# KiCad board PicoGUS chipdown.kicad_pcb (continued)
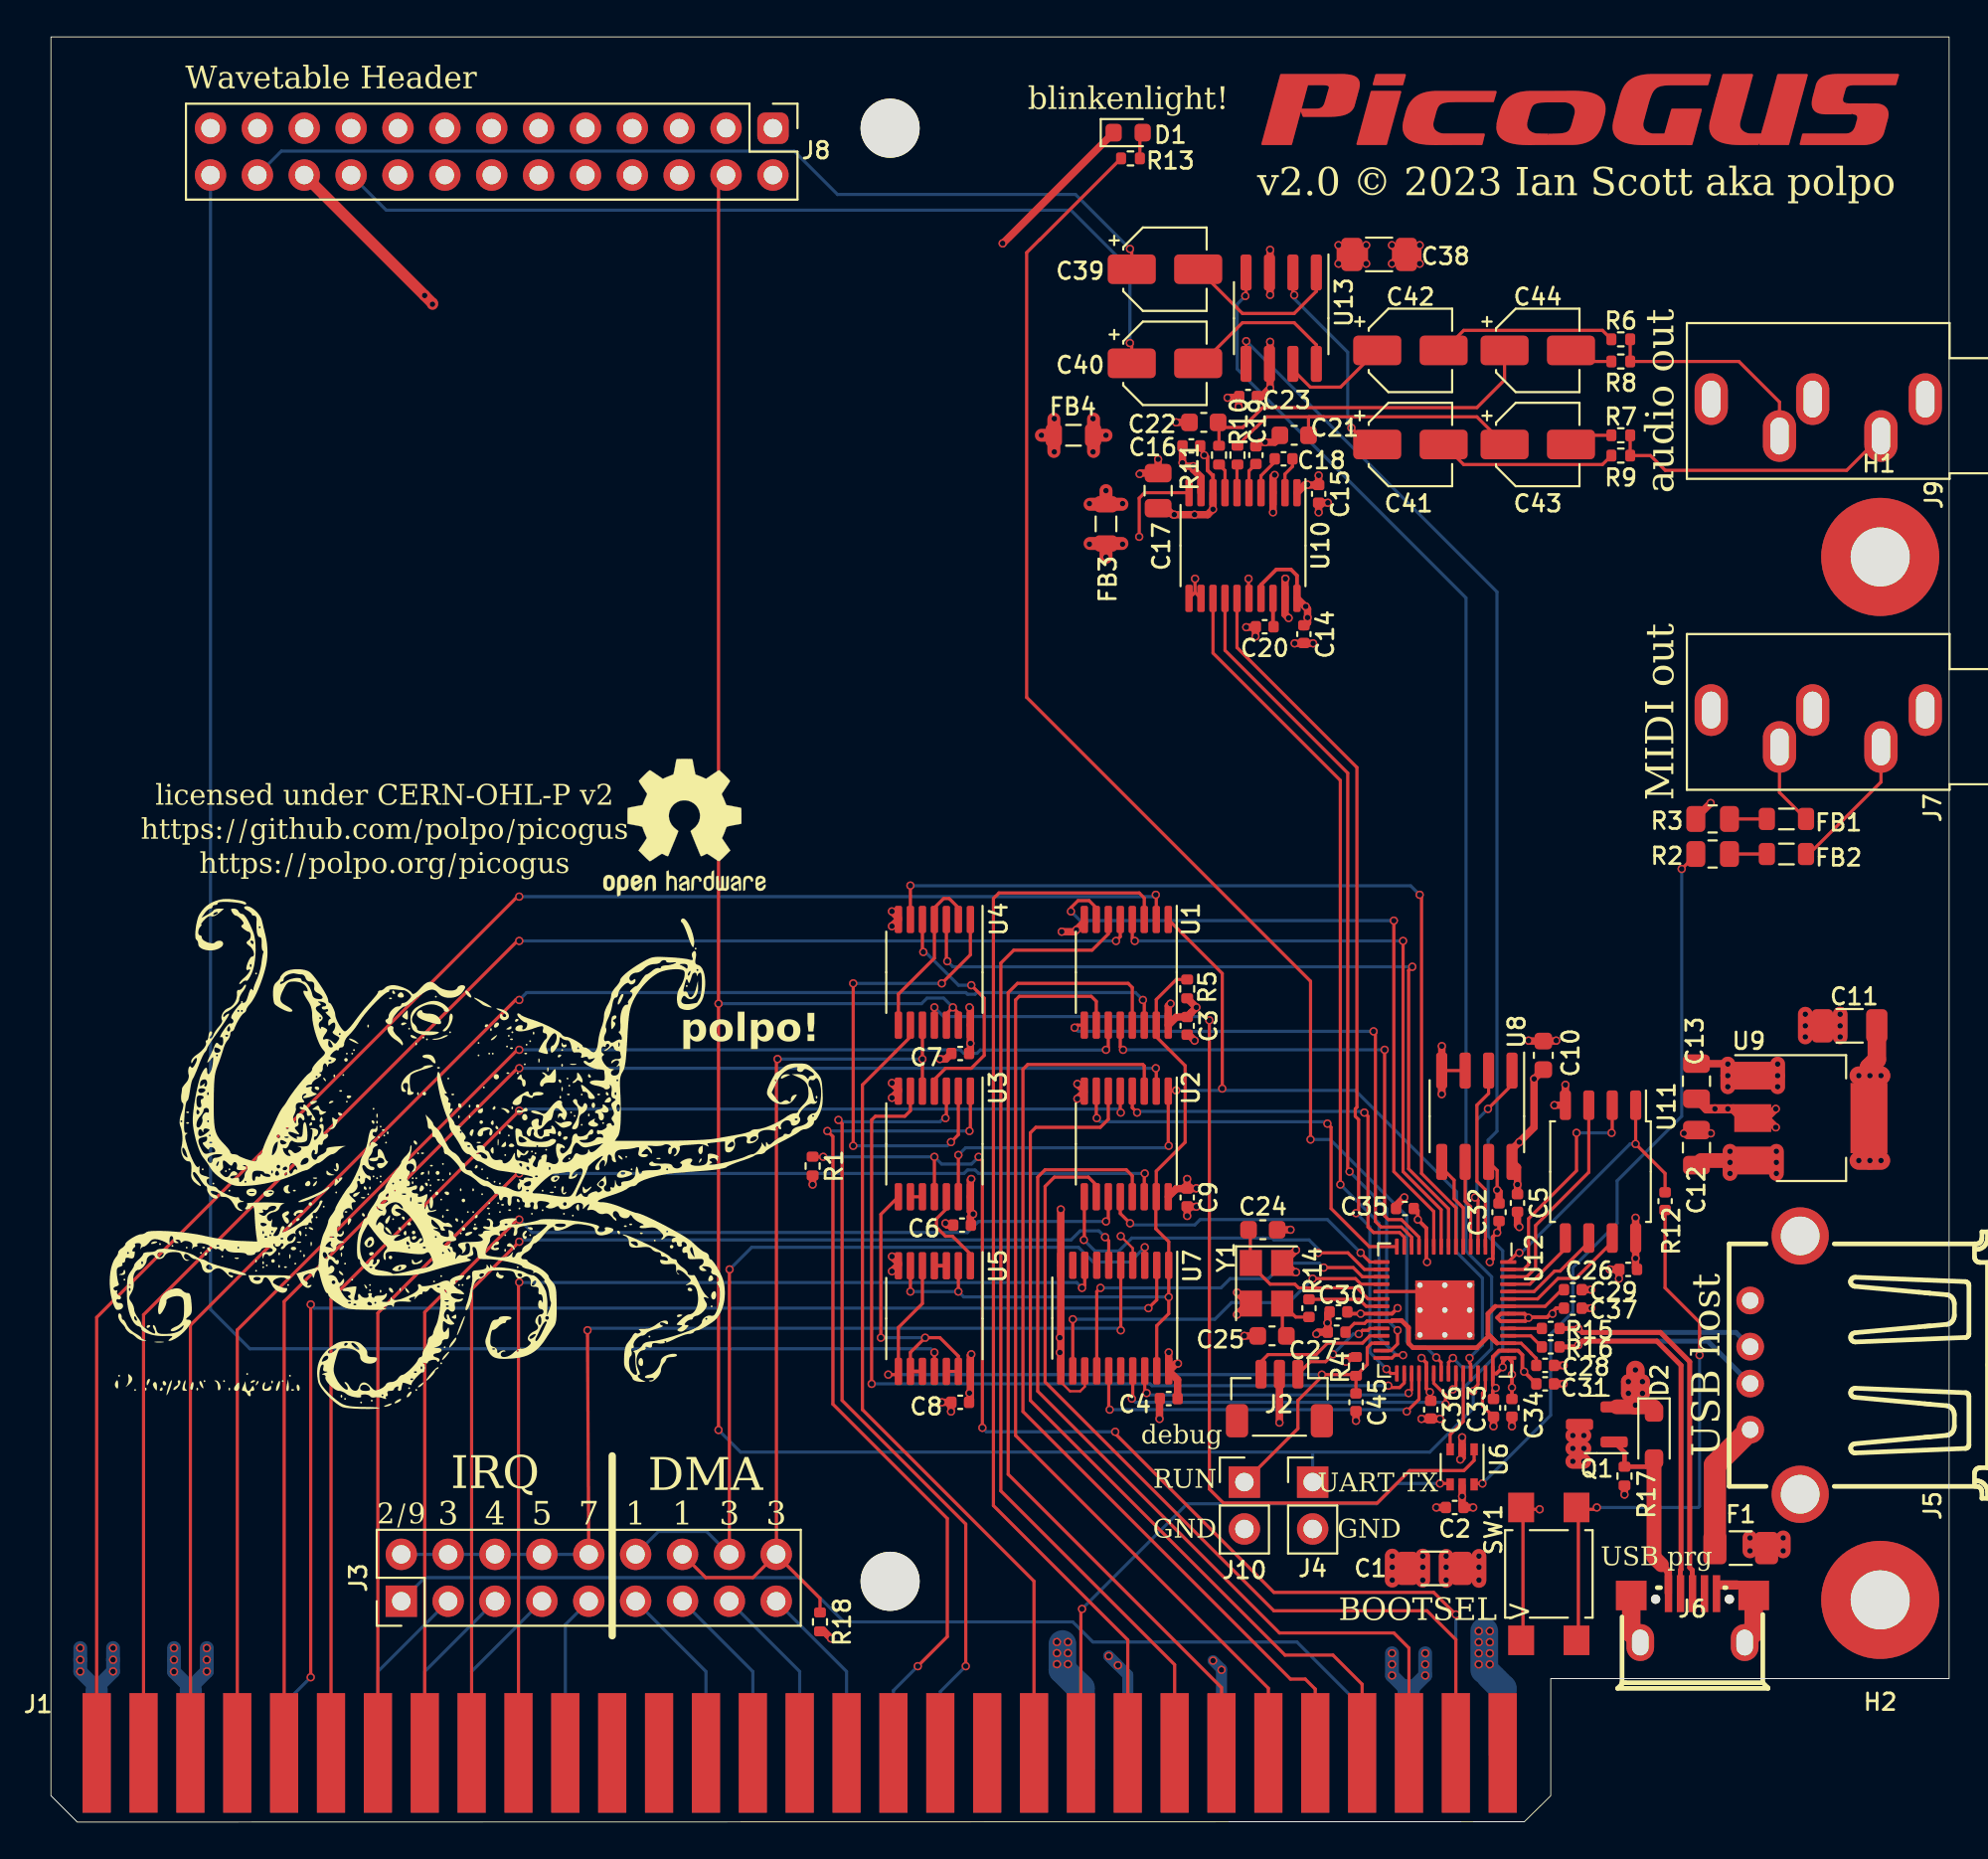
[diagram p0: board, top side]
## Nets
+1V1: C27.1 C28.1 C29.1 U12.23 U12.45 U12.50
+3V3: C2.1 C3.1 C4.1 C5.1 C6.1 C7.1 C8.1 C9.1 C10.1 C11.1 C13.1 C14.2 C26.1 C30.1 C31.1 C32.1 C33.1 C34.1 C35.1 C36.1 C37.1 FB4.1 R4.1 R5.1 U1.16 U2.16 U3.14 U4.14 U5.14 U6.5 U7.20 U8.8 U9.2 U10.17 U10.20 U11.8 U12.1 U12.10 U12.22 U12.33 U12.42 U12.43 U12.44 U12.48 U12.49
+5V: C1.1 F1.2 J1.3 J1.29 J8.6 J8.10 J8.14 Q1.3 R3.2 R18.2
+12V: J1.9 J8.18
-12V: J1.7 J8.22
AGND: C15.1 C16.1 C17.2 C19.2 C21.1 C22.1 C23.2 C38.2 FB3.2 J8.15 J8.17 J8.19 J8.21 J8.23 J8.25 J9.S U10.3 U10.9 U13.3
AVDD: C15.2 C16.2 C17.1 C23.1 C38.1 FB4.2 U10.1 U10.8 U13.6
GND: C1.2 C2.2 C3.2 C4.2 C5.2 C6.2 C7.2 C8.2 C9.2 C10.2 C11.2 C12.2 C13.2 C14.1 C20.2 C24.2 C25.2 C26.2 C27.2 C28.2 C29.2 C30.2 C31.2 C32.2 C33.2 C34.2 C35.2 C36.2 C37.2 C45.2 D1.1 FB3.1 H1.1 H2.1 J1.1 J1.10 J1.31 J2.2 J4.2 J5.4 J5.5 J6.5 J6.6 J7.S J8.1 J8.3 J8.5 J8.7 J8.9 J8.11 J10.2 R1.2 R17.2 SW1.2 U1.8 U2.8 U3.7 U4.7 U5.7 U6.2 U7.4 U7.10 U7.11 U7.13 U8.3 U8.4 U8.7 U9.1 U10.10 U10.11 U10.12 U10.16 U10.19 U11.4 U12.19 U12.41 U12.57 Y1.2 Y1.4
/RP2040/GPIO23: R13.1 U12.35
/RP2040/QSPI_SCLK: U11.6 U12.52
/RP2040/QSPI_SD0: U11.5 U12.53
/RP2040/QSPI_SD1: U11.2 U12.55
/RP2040/QSPI_SD2: U11.3 U12.54
/RP2040/QSPI_SD3: U11.7 U12.51
/RP2040/QSPI_SS: R12.1 U11.1 U12.56
/RP2040/SWCLK: J2.1 U12.24
/RP2040/SWD: J2.3 U12.25
/RP2040/XIN: C24.1 U12.20 Y1.1
/RP2040/XOUT: R14.1 U12.21
/RP2040/~{USB_BOOT}: R12.2 SW1.1
/USB_D+: J5.3 J6.3 R15.1
/USB_D-: J5.2 J6.2 R16.1
/VSYS: C12.1 D2.1 Q1.2 U9.3
A0: J1.62 U1.2
A1: J1.61 U1.5
A2: J1.60 U1.14
A3: J1.59 U1.11
A4: J1.58 U2.2
A5: J1.57 U2.5
A6: J1.56 U2.14
A7: J1.55 U2.11
A8: J1.54 U7.6
A9: J1.53 U7.8
AD0: U1.4 U12.8
AD1: U1.7 U12.9
AD2: U1.12 U12.11
AD3: U1.9 U12.12
AD4: U2.4 U12.13
AD5: U2.7 U12.14
AD6: U2.12 U12.15
AD7: U2.9 U12.16
ADS: U1.1 U2.1 U3.13 U12.39
AEN: J1.42 U4.9
BCK: U10.13 U12.28
D0: J1.40 U1.3
D1: J1.39 U1.6
D2: J1.38 U1.13
D3: J1.37 U1.10
D4: J1.36 U2.3
D5: J1.35 U2.6
D6: J1.34 U2.13
D7: J1.33 U2.10
DACK: J3.14 J3.18 R18.1 U3.5 U4.10
DACK1: J1.17 J3.13
DACK3: J1.15 J3.17
DIN: U10.14 U12.27
DRQ: J3.12 J3.16 U7.3
DRQ1: J1.18 J3.11
DRQ3: J1.16 J3.15
I/OCHRDY: J1.41 U6.4
IRQ: J3.2 J3.4 J3.6 J3.8 J3.10 U7.5
IRQ2: J1.4 J3.1
IRQ3: J1.25 J3.3
IRQ4: J1.24 J3.5
IRQ5: J1.23 J3.7
IRQ7: J1.21 J3.9
LRCK: U10.15 U12.29
PGAUDIO_L: C21.2 C43.1 R10.2
PGAUDIO_R: C22.2 C44.1 R11.2
RA8: U7.14 U12.17
RA9: U7.12 U12.18
RDRQ: U7.17 U12.34
RESET: J1.2 R1.1 U3.11
RI/OCHRDY: U6.3 U12.38
RIRQ: U7.15 U12.32
RTC: U7.18 U12.31
RUN: C45.1 J10.1 R4.2 U5.5 U5.8 U12.26
RV_CLK: U12.37 U13.5
RV_DATA: U12.36 U13.4
SPI_RX: U8.2 U12.2
SPI_SCK: U8.6 U12.4
SPI_TX: U8.5 U12.5
TC: J1.27 U7.2
UART_TX: J4.1 J8.4 U4.12 U4.13 U12.40
WTAUDIO_L: C39.1 J8.24
WTAUDIO_R: C40.1 J8.20
~{BUSOE}: R5.2 U1.15 U2.15 U5.2 U5.6 U7.1 U7.19
~{IOR}: J1.14 U3.1
~{IOW}: J1.13 U3.3
~{RDACK}: U3.6 U12.30
~{RIOR}: U4.3 U12.7
~{RIOW}: U4.6 U12.6
~{SPI_CS}: U8.1 U12.3
~{WT_RESET}: J8.26 U5.11
Net-(C25-Pad1): C25.1 R14.2 Y1.3
Net-(C41-Pad2): C41.2 R7.1
Net-(C42-Pad2): C42.2 R6.1
Net-(C43-Pad2): C43.2 R9.2
Net-(C44-Pad2): C44.2 R8.2
Net-(D1-A): D1.2 R13.2
Net-(D2-A): D2.2 J6.1 Q1.1 R17.1
Net-(FB1-Pad1): FB1.1 R2.2
Net-(FB1-Pad2): FB1.2 J7.T
Net-(FB2-Pad1): FB2.1 R3.1
Net-(FB2-Pad2): FB2.2 J7.R
Net-(J5-VBUS): F1.1 J5.1
Net-(J9-PadR): J9.R R6.2 R8.1
Net-(J9-PadT): J9.T R7.2 R9.1
Net-(R2-Pad1): R2.1 U6.6
Net-(U3-Pad2): U3.2 U4.1
Net-(U3-Pad4): U3.4 U4.5
Net-(U3-Pad8): U3.8 U5.9 U5.10 U5.12 U5.13
Net-(U3-Pad10): U3.9 U3.10
Net-(U3-Pad12): U3.12 U5.1
Net-(U4-Pad2): U4.2 U4.4 U4.8
Net-(U4-Pad11): U4.11 U6.1
Net-(U5-Pad3): U5.3 U5.4
Net-(U10-CAPM): C18.2 U10.4
Net-(U10-CAPP): C18.1 U10.2
Net-(U10-LDOO): C20.1 U10.18
Net-(U10-OUTL): R10.1 U10.6
Net-(U10-OUTR): R11.1 U10.7
Net-(U10-VNEG): C19.1 U10.5
Net-(U12-USB_DM): R16.2 U12.46
Net-(U12-USB_DP): R15.2 U12.47
Net-(U13-1ch_IN): C39.2 U13.1
Net-(U13-1ch_OUT): C41.1 U13.2
Net-(U13-2ch_IN): C40.2 U13.8
Net-(U13-2ch_OUT): C42.1 U13.7

Pads without a net: J1 5 6 8 11 12 19 20 22 26 28 30 32 43 44 45 46 47 48 49 50 51 52; J2 MP; J6 4; J7 RN TN; J8 2 8 12 13 16; J9 RN TN; U7 7 9 16

## Via types
v1: diameter 0.45, hole 0.3, Top to Bottom, 374 vias

## Routing (per net, layer and track width the routed paths; a pad name or vN(x,y) marks a point on that pad's centre or on a via; arc(x,y) is an arc through that point)
+1V1: length 18.9
  Top w0.171: 72.61,27.15 U12.23 71.32,27.15 71.19,27.02 70.63,27.02 70.26,26.65 ; 78.37,25.95 U12.45 79.68,25.95 80.22,25.41 80.22,25.4 80.48,25.14 80.49,25.14 80.5,25.13 C28.1 ; 81.88,28.85 80.98,27.95 U12.50 78.28,27.95
  Top w0.25: 78.27,26.04 77.88,26.44 77.88,27.55 78.28,27.95 ; 72.67,27.15 72.7,27.18 73.2,27.18 73.58,26.8 73.58,25.94 73.81,25.71 77.28,25.71 77.94,26.36 77.96,26.36 78.37,25.95
+3V3: length 75.4
  Top w0.2: 78.14,22.97 78.14,23.37 v1(78.3,23.53) 78.14,23.68 U12.42 ; C32.1 78.48,32.05 v1(78.38,31.95) 78.14,31.71 U12.1 78.14,30.51 v1(77.98,30.35) ; C37.1 81.58,27.85 81.38,27.65 v1(81.38,27.55) 81.28,27.55 81.09,27.36 80.11,27.36 v1(80.08,27.33) ; 78.88,25.15 78.68,24.95 v1(78.68,24.65) 78.34,24.31 U12.42 ; U12.42 78.14,25.21 78.48,25.55 U12.44 79.51,25.55 79.74,25.32 79.74,24.5 v1(79.84,24.41) C31.1 ; C36.1 74.78,23.25 v1(74.73,23.3) 74.54,23.49 U12.33 74.54,24.89 v1(74.28,25.15) ; v1(80.08,27.33) 79.86,27.55 U12.49 78.59,27.55 78.38,27.34 78.57,27.15 U12.48 79.9,27.15 v1(80.08,27.33) ; U10.20 67.53,67.55 67.2,67.88 66.41,67.88 65.58,67.05 U10.17 ; 73.86,33.35 74.08,33.13 v1(74.08,32.65) 74.54,32.19 U12.10 74.54,30.39 v1(74.58,30.35) 74.54,30.41 ; v1(72.98,27.85) 72.68,27.55 U12.22 v1(70.98,27.55) 70.36,27.55 ; C34.1 v1(79.18,23.55) v1(79.18,24.25) 79.18,24.95 U12.43
  Top w0.4: 85.88,30.03 v1(85.88,30.55) 85.88,30.55 U11.8 85.88,32.74 v1(85.88,32.75) ; 49.76,22.85 49.83,22.92 49.83,23.2 v1(49.78,23.25) 49.83,23.3 U5.14 49.83,25.3 v1(49.88,25.35) ; U10.20 67.97,65.87 v1(68,65.87) 68,65.84 68.1,65.74 v1(68.1,65.27) 68.1,64.99 67.88,64.77 ; 92.98,38.15 v1(93.48,38.65) ; 92.98,38.15 v1(93.48,37.65) ; 92.98,38.15 U9.2 ; 79.18,36.45 v1(79.58,36.85) 80.38,37.65 v1(80.38,40.27) C10.1 ; 54.35,74.27 v1(54.38,74.25) ; U7.20 v1(60.58,25.45) ; U7.20 61.06,23.97 C4.1 ; U7.20 60.98,24.85 v1(61.08,24.85) ; 49.83,41.72 v1(49.83,42.2) U4.14 49.83,44.1 v1(49.78,44.15) ; v1(60.68,44.35) 60.55,44.22 U1.16 61,43.63 C3.1 61.78,43.83 61.78,43.85 v1(62.08,44.15) 62.07,44.15 R5.1 ; 76.48,17.08 v1(76.48,17.65) 76.48,18.21 ; v1(77.08,17.05) C2.1 ; v1(54.38,76.05) 54.35,76.02 ; v1(62.08,34.35) 62.06,34.33 C9.1 ; C9.1 61,34.33 U2.16 ; C9.1 v1(61.58,34.85) ; 49.83,32.38 49.83,32.8 v1(49.98,32.95) 49.83,33.1 U3.14 49.83,34.8 v1(49.88,34.85) ; C5.1 v1(79.48,34.55) 79.48,35.48 79.18,35.77 ; v1(70.18,24.95) 70.43,25.21 R4.1
  Top w0.5: 91.68,38.15 91.18,38.65 v1(90.88,38.65) v1(90.18,38.65) 89.73,38.65 C13.1
  Top w0.7: v1(53.68,75.15) FB4.1 ; FB4.1 54.35,76.02 ; FB4.1 54.35,74.27
  Top w1: v1(97.98,40.45) v1(98.58,40.45) v1(99.18,40.45) 98.53,40.5 98.53,40.9 98.95,41.32 C11.1 ; v1(97.98,35.85) v1(98.58,35.85) v1(99.18,35.85)
+5V: length 292.3
  Top w0.4: v1(42.28,9.95) 41.89,10.34 R18.2 ; v1(89.95,55.22) 89.23,54.5
  Top w0.8: v1(82.48,19.55) v1(83.08,19.55) ; v1(92.08,14.7) v1(92.08,15.4) ; 75.61,14.4 75.61,13.1 ; v1(82.48,20.25) v1(83.08,20.25) ; 77.39,14.4 77.39,13.1 ; v1(93.88,15.4) v1(93.88,14.7) ; v1(82.48,20.95) v1(83.08,20.95)
  In2.Cu w0.4: v1(42.28,9.95) 42.28,6.25
  In2.Cu w0.75: v1(6.67,9.43) 6.67,8.06 7.28,7.45 7.88,7.45 8.45,8.01 v1(8.45,9.43) ; v1(74.48,7.95) v1(74.48,9.15) ; v1(72.68,7.95) v1(72.68,9.15)
  In2.Cu w0.8: v1(82.48,19.55) v1(83.08,19.55) ; v1(77.39,14.41) v1(77.39,13.11) ; v1(92.08,14.7) v1(92.08,15.4) ; v1(82.48,20.95) v1(83.08,20.95) ; v1(93.88,15.4) v1(93.88,14.7) ; v1(75.61,14.41) v1(75.61,13.11) ; v1(82.48,20.25) v1(83.08,20.25)
  In2.Cu w1.2: 82.77,15.05 82.77,17.46 82.78,17.47 82.78,20.95 ; J8.6 34.05,87.32 33.98,87.25 25.18,87.25 23.89,88.54 J8.14 ; 28.98,87.35 28.98,89.24 ; 30.78,87.25 83.53,87.25 87.57,83.22 87.57,57.6 102.07,43.1 102.07,21.34 95.78,15.05 77.88,15.05 73.6,10.77 73.6,6.25 8.32,6.25 7.56,7.02
  Bottom w0.75: v1(74.48,9.15) v1(74.48,7.95) 73.88,7.35 73.28,7.35 v1(72.68,7.95) v1(72.68,9.15) ; v1(6.67,9.43) v1(6.67,8.79) v1(6.67,8.15) 7.37,7.45 7.73,7.45 v1(8.45,8.17) v1(8.45,8.79) v1(8.45,9.43)
  Bottom w1.2: 7.58,4.05 7.58,7.15 ; 73.58,3.29 73.58,7.15
  vias: v1(72.68,8.55) v1(74.48,8.55) v1(75.61,13.81) v1(77.39,13.81)
+12V: length 113
  In2.Cu w0.4: v1(57.83,8.5) v1(57.33,9)
  In2.Cu w0.6: v1(57.83,8.5) 47.58,18.75 32.28,18.75 18.81,32.22 J8.18
  Bottom w0.6: v1(57.83,8.5) v1(57.33,9) 58.36,7.97 J1.9
-12V: length 118.4
  Top w0.6: J8.22 v1(20.25,82.72) 20.68,82.3 v1(20.68,82.25)
  In2.Cu w0.6: v1(63.44,8.25) 51.24,20.45 32.48,20.45 20.68,32.25 v1(20.68,82.25) ; 20.69,82.24 20.25,82.67 v1(20.25,82.72)
  Bottom w0.6: J1.7 63.44,8.29 v1(62.98,8.75)
AGND: length 18.5
  Top w0.4: v1(59,73.05) 59.05,73.1 C17.2 v1(60,73.85) ; v1(64.37,76.68) 64.37,77.2 63.79,77.2 v1(63.77,77.18) ; 58.04,71.41 v1(58.08,71.45) ; v1(68.7,70.97) C15.1 v1(69.2,71.49) ; C19.2 65.52,74.77 v1(65.8,74.77) 66.32,74.77 66.5,74.95 ; v1(74.18,84.45) 74.08,84.55 74.08,85.35 v1(74.18,85.45) ; U10.9 62.33,72.88 61.9,73.3 v1(61.9,73.47) 61.5,73.47 v1(61.32,73.65) C16.1 ; v1(72.68,85.45) 72.88,85.25 72.88,84.65 v1(72.68,84.45) ; v1(66.23,70.97) U10.3 66.23,72.91 v1(66.32,73) ; C22.1 v1(60.98,75.85) ; 56.32,71.41 v1(56.28,71.45) ; v1(66.07,85.19) v1(66.07,82.76)
  Top w0.7: FB3.2 v1(57.18,72.15) ; FB3.2 58.04,71.41 ; FB3.2 56.32,71.41
AVDD: length 16.4
  Top w0.2: 62.28,74.39 62.5,74.17 v1(62.5,74.07) 62.6,74.07 62.68,73.99 62.68,73.25 62.94,72.99 62.98,72.99 U10.8
  Top w0.4: C23.1 65.61,77.25 v1(66.07,77.71) v1(66.07,80.21) ; v1(68.7,72.97) C15.2 68.12,72.45 v1(68.1,72.47) 68.08,72.45 67.95,72.45 U10.1 ; U10.8 v1(62.98,71.14) 62.68,70.85 v1(61.98,70.85) v1(60.88,70.85) 60.78,70.85 60.43,71.2 ; v1(69.78,84.45) 69.88,84.55 69.88,85.35 v1(69.78,85.45) ; v1(71.28,84.45) 71.18,84.55 71.18,85.35 v1(71.28,85.45) ; v1(56.48,74.25) 56.5,74.27 ; 56.5,76.02 v1(56.48,76.05)
  Top w0.7: 56.5,74.27 56.5,75.15 ; 56.5,75.15 v1(57.18,75.15) ; 56.5,75.15 56.5,76.02
GND: length 190.3
  Top w0.127: U7.13 56.03,23.6 55.78,23.35 55.23,23.35 54.73,23.85 ; v1(57.98,31.75) 58.63,31.1 U7.4
  Top w0.171: v1(78.38,34.25) 78.38,35.31 77.91,35.77 ; U12.41 77.74,23.4 77.58,23.24 77.58,22.56 C33.2 ; U8.4 76.64,40.72 ; 62,66.64 U10.12 ; 62,66.64 U10.11 ; 62,66.64 v1(62,67.37) ; v1(58.98,69.65) 58.98,71.74 59.27,72.04 U10.10 ; v1(80.68,16.95) 79.78,16.95 79.78,9.75 ; 66.88,67.4 U10.19 ; v1(64.9,67.37) 64.9,66.34 ; 72.28,28.75 74.54,28.75
  Top w0.4: v1(76.38,19.65) 76.48,19.75 U6.2 v1(76.48,20.85) ; C37.2 v1(83.48,27.85) 83.38,27.85 ; v1(48.28,22.75) C8.2 ; C34.2 v1(79.18,21.45) ; 45.93,30.2 v1(45.58,29.85) ; 66.88,30.3 67.38,29.8 v1(67.48,29.8) ; 81.88,23.75 v1(81.98,23.75) C31.2 ; v1(84.48,29.95) C26.2 ; 45.93,48.9 v1(45.58,48.55) ; v1(73.34,33.85) 72.9,33.4 C35.2 ; v1(78.38,34.25) 78.48,34.15 C32.2 ; v1(54.73,33.2) U7.10 54.73,26.3 v1(54.68,26.25) 54.73,26.2 54.73,25.5 v1(54.68,25.45) 54.73,25.4 U7.11 ; 45.93,39.6 v1(45.58,39.25) ; v1(48.48,32.45) 48.58,32.35 C6.2 ; 66.88,67.4 v1(66.9,67.37) 66.88,67.35 66.88,65.45 v1(67.08,65.25) ; D1.1 51.59,85.55 v1(51.58,85.55) ; R1.2 v1(41.28,34.55) ; v1(54.78,48.25) 55.47,48.24 v1(55.58,48.35) 56,48.77 ; 81.78,24.75 v1(81.98,24.75) C28.2 ; v1(64.68,26.35) C25.2 ; 56.32,69.29 v1(56.28,69.25) ; v1(64.78,64.75) 65.28,64.75 v1(65.28,64.25) ; C5.2 79.48,32.35 v1(79.58,32.25) ; v1(62.08,33.35) 61.6,33.35 ; C13.2 90.86,41.1 v1(90.88,41.08) ; v1(55.63,39.2) 55.98,39.55 55.98,39.65 v1(55.63,40) ; C7.2 48.5,41.35 v1(48.18,41.35) ; v1(66.58,21.65) 66.58,24.27 ; v1(48.78,22.25) 48.78,22.73 ; C33.2 v1(78.18,21.45) ; v1(67.18,32.1) C24.2 ; C29.2 v1(83.48,28.85) 83.38,28.85 ; v1(80.08,42.35) 80.1,42.32 C10.2 81.55,42.32 v1(81.58,42.35) ; v1(81.48,38.85) U11.4 82.07,39.94 v1(82.08,39.95) ; v1(93.58,41.08) v1(93.58,40.45) U9.1 ; v1(61.58,32.85) C9.2 ; v1(95.08,43.15) v1(95.08,43.78) ; v1(64.28,27.5) 64.88,28.1 v1(64.28,28.7) ; R17.2 v1(85.28,17.75) ; v1(84.98,29.45) 84.98,29.93 ; 66.78,30.3 v1(67.48,31) ; v1(89.95,37.32) v1(88.5,37.32) ; v1(70.73,21.75) 70.73,22.28 ; C30.2 69.2,27.55 69.2,27.07 v1(69.18,27.05) 69.2,27.03 C27.2 68.68,26.55 v1(68.58,26.45) ; 45.93,49 v1(45.58,49.35) ; v1(67.4,63.87) v1(68.4,63.87) ; 45.93,39.7 v1(45.58,40.05) ; v1(75.08,17.05) C2.2 ; 45.93,30.3 v1(45.58,30.65) ; 58.04,69.29 v1(58.08,69.25) ; U8.4 v1(75.37,39.45) 75.38,39.45 v1(75.38,42.05) ; 61.66,42.67 v1(61.98,42.35) ; v1(74.28,21.85) v1(75.28,21.85) ; v1(96.96,43.15) v1(96.96,43.78) ; 60.08,22.85 v1(60.08,21.85)
  Top w0.5: 91.38,12.85 90.52,12.85
  Top w0.7: FB3.1 56.32,69.29 ; FB3.1 58.04,69.29 ; FB3.1 v1(57.18,68.55)
  Top w0.8: v1(93.58,41.08) v1(93.58,39.85) ; v1(74.34,14.41) v1(74.34,13.11) ; v1(90.88,41.08) v1(90.88,39.85) ; v1(72.69,14.41) v1(72.69,13.11) ; v1(93.58,40.45) v1(90.88,40.45) ; v1(96.96,43.78) v1(96.96,42.55) ; v1(95.08,43.78) v1(95.08,42.55)
  Top w1: 91.95,9.89 92.28,10.21 92.28,12.11 ; 85.64,12.05 85.64,10.22 86,9.86
  In1.Cu w1: 0.7,85.65 0.7,96.04 23.19,96.04 26.43,92.8 J8.11 J8.3 J8.1
  Bottom w0.4: 55.68,7.4 55.82,7.26 J1.10
  Bottom w0.75: v1(3.37,9.43) v1(3.37,8.79) v1(3.37,8.17) 2.65,7.45 2.3,7.45 v1(1.59,8.16) v1(1.59,8.79) v1(1.59,9.43)
  Bottom w1.2: 2.48,4.05 2.48,7.15 ; 77.98,7.95 77.68,8.25
  Bottom w1.5: J1.1 78.68,7.25 77.98,7.95 ; 55.82,2.96 55.82,7.26 54.82,8.26 54.82,9.65 ; 77.68,8.25 77.68,10.35
  vias: v1(54.52,9.76) v1(54.52,9.16) v1(54.52,8.56) v1(55.12,9.76) v1(55.12,9.16) v1(55.12,8.56) v1(72.69,13.81) v1(74.34,13.81) v1(77.38,10.35) v1(77.38,9.75) v1(77.38,9.15) v1(77.38,8.55) v1(77.98,10.35) v1(77.98,9.75) v1(77.98,9.15) v1(77.98,8.55)
/RP2040/GPIO23: length 78.3
  Top w0.171: v1(68.26,36.99) 68.26,45.56 52.88,60.95 52.88,85.05 53.58,85.75 53.59,85.75 R13.1 ; U12.35 75.34,24.92 v1(75.08,25.18)
  Bottom w0.171: v1(75.08,25.18) 74.51,25.75 73.79,25.75 73.48,26.06 73.48,32.84 69.33,36.99 v1(68.26,36.99)
/RP2040/QSPI_SCLK: length 5.5
  Top w0.171: U12.52 80.38,28.75 81.49,29.86 81.79,29.86 83.34,31.41
/RP2040/QSPI_SD0: length 4.1
  Top w0.171: U12.53 80.14,29.15 82.24,31.24
/RP2040/QSPI_SD1: length 12.8
  Top w0.171: U11.2 84.61,37.38 v1(84.58,37.35) ; v1(82.68,37.35) 82.68,35.3 80.08,32.7 80.08,30.21 79.81,29.95 U12.55
  Bottom w0.171: v1(84.58,37.35) v1(82.68,37.35)
/RP2040/QSPI_SD2: length 11.7
  Top w0.171: U11.3 83.34,35.21 80.46,32.33 80.46,30.03 79.98,29.55 U12.54
/RP2040/QSPI_SD3: length 6.9
  Top w0.171: U12.51 80.57,28.35 81.68,29.46 82.64,29.46 84.61,31.43
/RP2040/QSPI_SS: length 14.9
  Top w0.171: v1(79.58,30.85) 79.48,30.85 U12.56 ; U11.1 85.88,36.85 85.88,36.85 v1(85.88,36.75) 87.48,35.15 R12.1
  Bottom w0.171: v1(79.58,30.85) 79.68,30.85 85.58,36.75 v1(85.88,36.75)
/RP2040/SWCLK: length 5.6
  Top w0.171: v1(69.48,25.35) 69.08,24.95 68.25,24.95 67.58,24.27 ; v1(70.88,26.45) 71.08,26.65 71.38,26.65 71.48,26.75 U12.24
  Bottom w0.171: v1(70.88,26.45) 70.58,26.45 v1(69.48,25.35)
/RP2040/SWD: length 7.1
  Top w0.171: U12.25 71.47,26.35 71.07,25.95 69.18,25.95 68.56,25.33 65.96,25.33 65.58,24.95
/RP2040/XIN: length 9.4
  Top w0.171: 65.03,30.2 66.08,29.15 67.41,29.15 67.61,28.95 70.78,28.95 71.38,28.35 U12.20 ; 65,31.9 65,30.33
/RP2040/XOUT: length 4.1
  Top w0.171: U12.21 71.28,27.95 70.9,28.33 R14.1
/RP2040/~{USB_BOOT}: length 30.7
  Top w0.171: R12.2 87.48,28.95 89.34,27.08 v1(89.34,25.3)
  Top w0.172: v1(83.78,17.05) 83.68,16.95 82.78,16.95 82.78,9.75
  Bottom w0.171: v1(83.78,17.05) 89.28,17.05 89.34,17.12 v1(89.34,25.3)
/USB_D+: length 30.1
  Top w0.267: R15.1 v1(82.78,26.75) 82.99,26.53 87.22,26.53 88.81,24.95 88.81,13.79 88.95,13.65 88.95,12.41
  Bottom w0.267: v1(82.78,26.75) 82.99,26.53 91.32,26.53 92.1,25.75
/USB_D-: length 29.7
  Top w0.267: 88.3,12.41 88.3,13.65 88.34,13.69 88.34,24.75 87.03,26.06 82.99,26.06 v1(82.78,25.85) ; R16.1 82.68,25.75
  Bottom w0.267: 92.03,23.82 89.79,26.06 82.99,26.06 v1(82.78,25.85)
/VSYS: length 35
  Top w0.4: 93.41,35.85 v1(93.51,35.75)
  Top w0.8: v1(91,36.35) v1(91,35.15) ; 84.85,22.5 85.78,22.5 v1(85.87,22.6) 85.96,22.5 86.89,22.5 ; v1(93.51,36.35) v1(93.51,35.15) ; U9.3 89.43,35.85 ; v1(86.25,23.87) v1(86.25,23.23) v1(85.49,23.23) v1(85.49,23.87) v1(86.25,23.87)
  Top w1: v1(85.87,22.6) v1(85.87,24.5)
  In2.Cu w0.8: 85.49,23.93 v1(85.49,23.23) ; v1(93.51,36.35) v1(93.51,35.15) ; 91,36.25 v1(91,36.35) v1(91,35.75) v1(91,35.15) 91,35.25 ; 86.25,23.93 v1(86.25,23.23)
  In2.Cu w1.2: 92.27,35.75 92.27,34.19 85.87,27.8 85.87,23.02 ; 92.27,35.75 91.41,35.75 ; 92.27,35.75 93.12,35.75 ; 85.87,22.72 v1(85.87,24.5)
A0: length 91.8
  Top w0.171: v1(59.88,50.25) 59.9,50.22 U1.2 ; J1.62 2.48,27.35 25.28,50.15 v1(25.38,50.15)
  Bottom w0.171: v1(25.38,50.15) 59.78,50.15 v1(59.88,50.25)
A1: length 86.1
  Top w0.171: U1.5 57.95,47.98 v1(57.72,47.75) ; v1(25.38,47.75) 25.28,47.75 5.02,27.49 J1.61
  Bottom w0.171: v1(25.38,47.75) v1(57.72,47.75)
A2: length 83.9
  Top w0.171: J1.60 7.56,26.93 25.18,44.55 v1(25.38,44.55) ; v1(59.18,44.55) 59.25,44.47 U1.14
  Bottom w0.171: v1(25.38,44.55) 25.78,44.95 49.59,44.95 49.67,44.86 50.08,44.86 50.17,44.95 58.78,44.95 v1(59.18,44.55)
A3: length 77.8
  Top w0.171: J1.59 10.1,26.67 25.28,41.85 v1(25.38,41.85) ; v1(57.18,41.85) 57.3,41.97 57.3,43.19
  Bottom w0.171: v1(25.38,41.85) 49.28,41.85 49.47,41.66 50.18,41.66 50.36,41.84 57.17,41.84 v1(57.18,41.85)
A4: length 78.2
  Top w0.171: U2.2 59.9,40.82 v1(59.88,40.85) ; v1(25.38,40.85) 25.28,40.85 12.64,28.21 J1.58
  Bottom w0.171: v1(25.38,40.85) v1(59.88,40.85)
A5: length 73.1
  Top w0.171: v1(57.98,38.45) 57.95,38.47 U2.5 ; v1(25.38,38.55) 15.18,28.35 J1.57
  Bottom w0.171: v1(25.38,38.55) 25.47,38.64 57.89,38.64 v1(57.98,38.45) 57.98,38.55
A6: length 70
  Top w0.171: J1.56 17.72,27.59 25.28,35.15 v1(25.38,35.15) ; v1(59.28,35.15) 59.25,35.12 U2.14
  Bottom w0.171: v1(25.38,35.15) 49.49,35.15 49.67,35.34 50.08,35.34 50.27,35.15 v1(59.28,35.15)
A7: length 64.8
  Top w0.171: 57.3,33.89 57.3,32.67 v1(57.18,32.55) ; v1(25.38,32.65) 25.28,32.65 20.26,27.63 J1.55
  Bottom w0.171: v1(25.38,32.65) 26.08,31.95 49.67,31.95 50.27,32.55 v1(57.18,32.55)
A8: length 62.5
  Top w0.171: U7.6 57.33,31.5 v1(57.13,31.7) ; J1.54 22.8,28.87 v1(25.38,31.45)
  Bottom w0.171: v1(57.13,31.7) 56.79,32.04 55.77,32.04 55.29,31.55 25.48,31.55 v1(25.38,31.45)
A9: length 57.4
  Top w0.171: v1(25.38,29.25) 25.34,29.21 J1.53 ; U7.8 56.03,29.1 v1(55.88,28.95)
  Bottom w0.171: v1(55.88,28.95) 55.59,29.24 25.39,29.24 v1(25.38,29.25)
AD0: length 33.2
  Top w0.171: U1.4 58.6,47.88 v1(58.74,47.75) ; U12.8 75.34,33.19 73.28,35.25 v1(73.28,47.75)
  Bottom w0.171: v1(58.74,47.75) v1(73.28,47.75)
AD1: length 38.2
  Top w0.171: v1(55.28,49.35) 55.28,49.55 55.66,49.93 56.26,49.93 56.65,49.54 ; U12.9 74.94,33.09 72.78,35.25 v1(72.78,48.85)
  Bottom w0.171: v1(55.28,49.35) 55.78,48.85 v1(72.78,48.85)
AD2: length 27.4
  Top w0.171: v1(72.28,41.85) 72.28,32.85 72.48,32.65 73.19,32.65 74.14,31.7 U12.11 ; v1(58.1,41.85) 57.95,42 U1.12
  Bottom w0.171: v1(58.1,41.85) v1(72.28,41.85)
AD3: length 30
  Top w0.171: U1.9 55.61,43.19 v1(55.48,43.05) ; v1(71.68,42.85) 71.78,42.75 71.78,32.55 72.08,32.25 73.19,32.25 73.74,31.7 U12.12
  Bottom w0.171: v1(55.48,43.05) 55.68,42.85 v1(71.68,42.85)
AD4: length 22.6
  Top w0.171: v1(71.18,38.45) 71.38,38.25 71.38,32.25 71.68,31.95 73.09,31.95 73.34,31.7 U12.13 ; U2.4 58.6,38.71 v1(58.86,38.45)
  Bottom w0.171: v1(58.86,38.45) 58.93,38.51 71.11,38.51 v1(71.18,38.45)
AD5: length 23.2
  Top w0.171: v1(56.68,38.15) 56.65,38.17 U2.7 ; v1(69.18,37.85) 69.38,37.65 69.38,33.25 71.44,31.19 U12.14
  Bottom w0.171: v1(56.68,38.15) 56.88,37.95 69.08,37.95 v1(69.18,37.85)
AD6: length 16.4
  Top w0.171: U12.15 71.48,30.35 v1(70.98,30.85) ; U2.12 57.95,32.98 v1(58.48,32.45)
  Bottom w0.171: v1(58.48,32.45) 58.57,32.36 61.99,32.36 62.28,32.65 69.18,32.65 v1(70.98,30.85)
AD7: length 19.8
  Top w0.171: v1(55.98,31.55) 56,31.57 U2.9 ; v1(68.68,30.85) 70.29,30.85 71.19,29.95 U12.16
  Bottom w0.171: 65.69,31.64 65.69,31.65 66.18,31.65 66.28,31.55 68.18,31.55 68.68,31.05 v1(68.68,30.85) ; v1(55.98,31.55) 56.58,30.95 57.88,30.95 58.58,31.65 65.69,31.65
ADS: length 56
  Top w0.171: v1(63.48,39.75) 63.48,45.99 U1.1 ; U12.39 76.94,24.82 76.88,24.89 v1(76.88,25.15) ; U3.13 v1(49.18,36.15) ; v1(60.98,39.65) 60.94,39.61 U2.1 60.55,36.67 v1(60.58,36.65)
  Bottom w0.171: v1(49.18,36.15) 49.57,36.54 60.47,36.54 v1(60.58,36.65) ; v1(76.88,25.15) 77.58,25.85 77.58,29.48 76.18,30.88 76.18,34.16 70.69,39.65 63.58,39.65 v1(63.48,39.75) 63.38,39.65 v1(60.98,39.65)
AEN: length 43.7
  Top w0.171: J1.42 53.28,13.05 43.98,22.35 43.98,39.95 45.77,41.74 45.77,41.75 46.58,42.55
BCK: length 46.7
  Top w0.171: U12.28 72.68,25.15 72.83,25.3 v1(73.28,25.3) ; v1(69.88,34.55) 69.88,56.45 62.98,63.35 U10.13
  Bottom w0.171: v1(73.28,25.3) 72.92,25.3 71.98,26.25 71.98,32.45 v1(69.88,34.55)
D0: length 58.9
  Top w0.171: J1.40 58.36,9.87 51.08,17.15 51.08,50.05 51.38,50.35 58.98,50.35 59.25,50.07 U1.3
D1: length 54
  Top w0.171: 57.3,48.91 57.3,48.13 56.42,47.25 52.18,47.25 51.48,46.55 51.48,17.95 60.9,8.53 J1.39
D2: length 55.1
  Top w0.171: J1.38 63.44,7.29 51.88,18.85 51.88,44.95 52.38,45.45 58.38,45.45 58.6,45.22 U1.13
D3: length 52.3
  Top w0.171: J1.37 65.98,7.25 52.28,20.95 52.28,44.55 52.48,44.75 56.38,44.75 56.65,44.47 U1.10
D4: length 52.2
  Top w0.171: U2.3 59.25,40.97 59.17,41.05 52.93,41.05 52.68,40.8 52.68,22.25 67.18,7.75 67.98,7.75 68.52,7.21 J1.36
D5: length 48.6
  Top w0.171: J1.35 71.06,7.47 69.48,9.05 66.88,9.05 53.08,22.85 53.08,37.35 53.38,37.65 56.87,37.65 57.3,38.08 57.3,39.61
D6: length 49.7
  Top w0.171: J1.34 73.6,9.43 72.78,10.25 66.58,10.25 53.48,23.35 53.48,34.95 53.88,35.35 58.28,35.35 58.6,35.02 U2.13
D7: length 47.9
  Top w0.171: 56.65,34.52 56.22,34.95 54.38,34.95 53.88,34.45 53.88,23.85 66.28,11.45 74.58,11.45 76.14,9.89 J1.33
DACK: length 48.5
  Top w0.171: 39.32,14.52 39.32,41.29 v1(39.38,41.35) ; 39.31,14.51 38.05,13.25 35.49,13.25 34.23,14.51 ; R18.1 41.68,12.13 39.31,14.5 ; U4.10 U3.5
  Bottom w0.171: v1(39.38,41.35) v1(47.23,41.35)
DACK1: length 9.8
  Bottom w0.171: J3.13 38.04,8.16 J1.17
DACK3: length 9.8
  Bottom w0.171: J3.17 43.12,8.16 J1.15
DIN: length 45.3
  Top w0.171: v1(70.38,35.25) 70.28,35.35 70.28,56.85 63.63,63.5 U10.14 ; v1(72.98,26.65) 72.98,25.91 72.61,25.55 U12.27
  Bottom w0.171: v1(72.98,26.65) 72.39,27.24 72.39,33.24 v1(70.38,35.25)
DRQ: length 46.2
  Top w0.171: v1(36.78,29.95) 36.77,29.94 36.77,14.51 ; U7.3 v1(59.28,31.15)
  Bottom w0.171: v1(59.28,31.15) 58.48,30.35 56.49,30.35 55.69,31.15 37.98,31.15 v1(36.78,29.95) ; 36.77,14.51 35.53,15.75 32.93,15.75 31.69,14.51
DRQ1: length 9.8
  Bottom w0.171: J3.11 35.5,8.16 J1.18
DRQ3: length 9.8
  Bottom w0.171: J1.16 40.58,8.16 J3.15
I/OCHRDY: length 30.5
  Top w0.171: J1.41 55.82,11.49 v1(55.88,11.55) ; v1(75.28,18.35) 75.78,18.35
  Bottom w0.171: v1(75.28,18.35) 72.94,18.35 71.84,17.25 61.58,17.25 v1(55.88,11.55)
IRQ: length 55
  Top w0.171: 29.15,14.51 v1(29.08,26.65) ; U7.5 v1(57.98,26.65)
  Bottom w0.171: 18.99,14.51 29.15,14.51 ; 57.98,26.75 v1(57.98,26.65) 57.97,26.76 29.19,26.76 v1(29.08,26.65)
IRQ2: length 55.5
  Bottom w0.171: 71.06,6.23 67.52,9.76 56.47,9.76 55.38,10.85 42.98,10.85 40.58,13.25 20.27,13.25 J3.1
IRQ3: length 9.8
  Bottom w0.171: J1.25 17.72,8.16 J3.3
IRQ4: length 9.8
  Bottom w0.171: J3.5 20.26,8.16 J1.24
IRQ5: length 9.8
  Bottom w0.171: J1.23 22.8,8.16 J3.7
IRQ7: length 8.7
  Bottom w0.171: J1.21 27.88,10.7 J3.9
LRCK: length 46
  Top w0.171: v1(70.73,33) 70.87,33.14 70.87,38.07 70.69,38.25 70.69,38.65 70.78,38.74 70.78,57.15 64.28,63.65 U10.15 ; U12.29 72.61,24.31 v1(72.38,24.55)
  Bottom w0.171: v1(70.73,33) 71.48,32.25 71.48,25.45 v1(72.38,24.55)
PGAUDIO_L: length 17.5
  Top w0.171: 68.98,76.15 65.89,76.15 65.28,75.54 ; 68.98,76.15 77.28,76.15 C43.1 ; 68.98,76.15 68.18,76.15 68.15,76.12 C21.2 ; R10.2 65.26,75.54
PGAUDIO_R: length 19.1
  Top w0.171: 63.28,75.57 64.59,75.57 65.67,76.65 77.28,76.65 78.78,78.15 C44.1 ; R11.2 63.3,75.55
RA8: length 20.7
  Top w0.171: v1(56.88,28.95) 56.68,28.75 U7.14 ; v1(68.98,30.05) 70.58,30.05 71.08,29.55 U12.17
  Bottom w0.171: v1(68.98,30.05) 68.74,30.29 66.82,30.29 65.98,29.45 63.91,29.45 63.41,28.95 v1(56.88,28.95)
RA9: length 20.6
  Top w0.171: v1(68.38,29.45) 70.7,29.45 71,29.15 U12.18 ; U7.12 v1(55.38,27.25)
  Bottom w0.171: v1(55.38,27.25) 63.08,27.25 63.98,28.15 67.08,28.15 v1(68.38,29.45)
RDRQ: length 20.6
  Top w0.171: U12.34 74.94,23.78 75.58,23.14 v1(75.58,22.65) ; U7.17 58.63,23 v1(58.58,22.95)
  Bottom w0.171: v1(75.58,22.65) 75.48,22.75 58.78,22.75 v1(58.58,22.95)
RESET: length 63.6
  Top w0.171: v1(50.48,21.37) 50.48,35.85 v1(50.28,36.05) ; v1(76.14,11.25) 74.94,12.45 66.28,12.45 57.68,21.05 v1(57.68,21.15) ; 41.29,36.05 v1(41.85,36.05) ; v1(47.88,36.05) U3.11
  Bottom w0.171: v1(57.68,21.15) 50.7,21.15 v1(50.48,21.37) ; v1(50.28,36.05) 49.89,35.66 48.27,35.66 v1(47.88,36.05) v1(41.85,36.05) ; v1(76.14,11.25) J1.2
RI/OCHRDY: length 4.4
  Top w0.171: U6.3 75.83,21 76.54,21.71 U12.38
RIRQ: length 20.6
  Top w0.171: U7.15 57.33,22.4 v1(57.38,22.35) ; U12.32 74.14,22.91 v1(73.48,22.25)
  Bottom w0.171: v1(57.38,22.35) 73.38,22.35 v1(73.48,22.25)
RTC: length 16.7
  Top w0.171: v1(59.38,23.25) 59.28,23.35 U7.18 ; v1(73.58,23.25) 73.74,23.41 U12.31
  Bottom w0.171: v1(73.58,23.25) 73.48,23.15 59.48,23.15 v1(59.38,23.25)
RUN: length 43.3
  Top w0.171: v1(45.38,24.25) 45.75,24.25 U5.8 45.93,26.8 47.23,28.1 U5.5 ; J10.1 67.58,21.32 67.58,22.85 68.88,24.15 v1(68.88,24.25) 70.66,24.25 ; U12.26 71.58,25.95 71.34,25.71 71.34,24.79 R4.2 70.73,23.24
  Bottom w0.171: v1(68.88,24.25) v1(45.38,24.25)
RV_CLK: length 66.5
  Top w0.171: U12.37 76.14,23.61 v1(75.98,23.45) ; v1(64.78,80.25) 64.77,80.24 U13.5
  Bottom w0.171: v1(75.98,23.45) 76.48,23.45 78.68,25.65 78.68,30.96 77.89,31.75 77.89,36.96 78.37,37.44 78.37,66.66 v1(64.78,80.25)
RV_DATA: length 67.9
  Top w0.171: v1(75.98,25.15) 75.74,24.91 U12.36 ; v1(64.73,82.7) 64.77,82.74 U13.4
  Bottom w0.171: v1(64.73,82.7) 64.29,82.26 64.29,78.74 76.69,66.34 76.69,30.94 78.08,29.55 78.08,25.65 77.09,24.66 76.47,24.66 v1(75.98,25.15)
SPI_RX: length 10
  Top w0.171: U8.2 77.91,39.48 77.28,38.85 77.28,34.73 77.74,34.26 U12.2
SPI_SCK: length 4.7
  Top w0.171: U12.4 76.94,33.34 76.64,33.64 76.64,35.77
SPI_TX: length 4.8
  Top w0.171: 75.37,35.45 76.04,34.78 76.04,33.78 76.54,33.29 U12.5
TC: length 70.2
  Top w0.171: v1(14.08,7.85) v1(14.08,28.05) ; U7.2 59.93,28.3 v1(59.48,27.85)
  Bottom w0.171: v1(59.48,27.85) 14.28,27.85 v1(14.08,28.05) ; 12.64,6.41 v1(14.08,7.85)
UART_TX: length 128
  Top w0.171: 48.53,43.8 v1(48.88,44.15) 49.18,43.85 49.18,43.49 ; 36.18,88.84 v1(36.18,44.35) v1(36.18,21.25) ; v1(77.08,23.35) 77.03,23.4 77.34,23.71 U12.40
  Bottom w0.171: 68.38,20.05 74.72,20.05 77.08,22.4 v1(77.08,23.35) ; 68.38,20.05 J4.1 ; 68.38,20.05 37.38,20.05 v1(36.18,21.25) ; v1(36.18,44.35) 47.18,44.35 47.48,44.65 48.38,44.65 v1(48.88,44.15)
WTAUDIO_L: length 51.2
  Top w0.171: C39.1 58.57,85.15 v1(58.48,85.25)
  Bottom w0.171: J8.24 12.49,90.55 40.28,90.55 42.63,88.2 55.53,88.2 v1(58.48,85.25)
WTAUDIO_R: length 49.7
  Top w0.171: 58.57,78.85 58.57,80.05 v1(58.47,80.15)
  Bottom w0.171: v1(58.47,80.15) 58.47,84.15 55.28,87.35 18.17,87.35 J8.20
~{BUSOE}: length 40.4
  Top w0.171: U7.19 59.93,26.9 60.58,27.55 v1(60.58,28.45) U7.1 60.58,31.45 59.88,32.15 59.88,33.86 ; U1.15 59.9,44.57 60.99,45.66 R5.2 ; U5.2 v1(49.18,28.75) ; U2.15 59.9,35.27 61.47,36.84 61.47,40.99 59.9,42.55 ; U5.6 v1(46.58,28.75)
  Bottom w0.171: 60.57,28.46 49.47,28.46 v1(49.18,28.75) v1(46.58,28.75)
~{IOR}: length 47.5
  Top w0.171: v1(42.08,37.45) 42.38,37.15 42.38,22.65 48.58,16.45 48.58,10.05 v1(46.98,8.45) ; v1(49.78,37.45) 49.83,37.5 U3.1
  Bottom w0.171: v1(46.98,8.45) 45.66,7.13 J1.14 ; v1(49.78,37.45) v1(42.08,37.45)
~{IOW}: length 45.1
  Top w0.171: v1(42.68,38.05) 42.88,37.85 42.88,22.85 49.58,16.15 v1(49.58,8.45) ; U3.3 48.53,38.2 v1(48.48,38.15)
  Bottom w0.171: v1(42.68,38.05) 42.78,37.95 48.18,37.95 48.38,38.15 v1(48.48,38.15) ; J1.13 48.2,7.07 v1(49.58,8.45)
~{RDACK}: length 47.2
  Top w0.171: U3.6 46.58,38.55 46.28,38.25 44.68,38.25 44.48,38.05 v1(44.48,23.75) ; v1(72.48,23.65) 72.58,23.55 73.09,23.55 73.34,23.8 U12.30
  Bottom w0.171: v1(44.48,23.75) 59.57,23.75 59.67,23.65 v1(72.48,23.65)
~{RIOR}: length 43.7
  Top w0.171: U12.7 75.74,33.24 73.58,35.4 73.58,46.15 v1(73.78,46.35) ; v1(48.58,46.65) 48.53,46.7 U4.3
  Bottom w0.171: v1(73.78,46.35) 48.88,46.35 v1(48.58,46.65)
~{RIOW}: length 49.5
  Top w0.171: v1(74.18,50.25) 74.28,50.15 74.28,35.15 76.14,33.29 U12.6 ; U4.6 v1(46.58,50.75)
  Bottom w0.171: v1(74.18,50.25) 73.69,50.74 46.59,50.74 v1(46.58,50.75)
~{SPI_CS}: length 9.7
  Top w0.171: v1(77.88,38.65) 79.18,39.95 ; U12.3 77.34,33.69 v1(77.18,33.85)
  Bottom w0.171: v1(77.18,33.85) 77.28,33.95 77.28,38.05 v1(77.88,38.65)
~{WT_RESET}: length 102.7
  Top w0.171: U5.11 v1(47.88,25.45)
  Bottom w0.171: v1(47.88,25.45) 47.68,25.65 10.78,25.65 8.65,27.78 J8.26
Net-(C25-Pad1): length 3.3
  Top w0.171: 66.74,26.15 66.74,27.74 ; R14.2 67.46,27.37 Y1.3
Net-(C41-Pad2): length 9.7
  Top w0.171: C41.2 76.56,73.56 84.08,73.56 R7.1
Net-(C42-Pad2): length 9.7
  Top w0.171: R6.1 84.08,80.83 76.56,80.83 C42.2
Net-(C43-Pad2): length 1.7
  Top w0.171: R9.2 82.88,75.15
Net-(C44-Pad2): length 1.6
  Top w0.171: R8.2 82.98,79.15
Net-(D1-A): length 1.2
  Top w0.171: R13.2 59.01,91.4
Net-(D2-A): length 10.8
  Top w0.25: D2.2 86.44,19.26 R17.1 85.28,20.04 Q1.1
  Top w0.4: 87.65,12.41 87.65,13.57 87.28,13.95
  Top w0.8: 86.88,19.56 86.88,14.35 87.28,13.95
Net-(FB1-Pad1): length 2.1
  Top w0.171: 90.88,52.46 FB1.1
Net-(FB1-Pad2): length 7.4
  Top w0.171: J7.T 99.18,56.36 95.28,52.46
Net-(FB2-Pad1): length 2.1
  Top w0.171: 90.88,54.36 FB2.1
Net-(FB2-Pad2): length 4.5
  Top w0.171: J7.R 93.68,55.8 FB2.2
Net-(J5-VBUS): length 7.2
  Top w1.2: J5.1 90.18,19.35 F1.1
Net-(J9-PadR): length 12
  Top w0.171: J9.R 93.68,76.95 91.48,79.15 R8.1 R6.2
Net-(J9-PadT): length 15.8
  Top w0.171: R9.1 R7.2 86.69,74.05 87.49,73.25 97.32,73.25 J9.T
Net-(R2-Pad1): length 39.3
  Top w0.171: v1(77.58,18.35) 77.18,18.35 ; 89.19,52.46 v1(88.38,51.65)
  Bottom w0.171: v1(77.58,18.35) 81.28,22.05 81.28,26.45 82.48,27.65 82.48,30.05 84.88,32.45 84.88,34.75 88.38,38.25 v1(88.38,51.65)
Net-(U3-Pad2): length 26
  Top w0.171: v1(48.28,45.45) 49.83,47 U4.1 ; v1(48.78,36.85) 49.18,37.25 U3.2 ; v1(43.48,45.45) v1(43.48,36.65)
  Bottom w0.171: v1(43.48,36.65) 48.58,36.65 v1(48.78,36.85) ; v1(48.28,45.45) v1(43.48,45.45)
Net-(U3-Pad4): length 12.5
  Top w0.171: v1(49.88,45.35) 50.58,44.65 50.58,41.55 49.88,40.85 48.48,40.85 47.88,40.24 ; U4.5 47.23,47.2 v1(47.28,47.15)
  Bottom w0.171: v1(49.88,45.35) 49.19,45.35 47.39,47.15 v1(47.28,47.15)
Net-(U3-Pad8): length 16.9
  Top w0.171: U5.9 46.58,25.45 v1(47.38,26.25) 48.18,26.25 49.18,25.25 U5.13 U5.12 ; U3.8 44.98,32.94 v1(44.98,26.25)
  Top w0.2: U5.10 U5.9
  Bottom w0.171: v1(44.98,26.25) v1(47.38,26.25)
Net-(U3-Pad10): length 0.7
  Top w0.171: U3.9 U3.10
Net-(U3-Pad12): length 4.3
  Top w0.171: 49.83,30.78 48.86,31.75 48.48,31.75 47.99,32.24 47.99,32.69 48.53,33.23 U3.12
Net-(U4-Pad2): length 8.2
  Top w0.171: 47.88,49.54 48.38,50.05 48.68,50.05 49.18,49.55 ; U4.4 47.88,46.82 45.93,44.87 U4.8
Net-(U4-Pad11): length 57.8
  Top w0.171: U6.1 77.13,19.6 76.58,19.05 73.64,19.05 71.88,17.29 63.54,17.29 62.78,18.05 v1(62.78,43.45) ; v1(47.88,44.15) U4.11
  Bottom w0.171: v1(62.78,43.45) 62.58,43.65 48.38,43.65 v1(47.88,44.15)
Net-(U5-Pad3): length 0.7
  Top w0.2: U5.4 U5.3
Net-(U10-CAPM): length 1.3
  Top w0.171: 66.32,73.7 65.58,72.96 65.58,72.67
Net-(U10-CAPP): length 2
  Top w0.171: C18.1 67.28,73.45 66.88,73.05 U10.2
Net-(U10-LDOO): length 1.3
  Top w0.2: 66.23,65.02 U10.18
Net-(U10-OUTL): length 1.5
  Top w0.171: U10.6 64.28,73.54
Net-(U10-OUTR): length 1.7
  Top w0.171: R11.1 63.63,73.24 U10.7
Net-(U10-VNEG): length 1.7
  Top w0.171: C19.1 64.93,73.22 U10.5
Net-(U12-USB_DM): length 2.1
  Top w0.171: R16.2 80.2,26.35 U12.46
Net-(U12-USB_DP): length 1.8
  Top w0.171: R15.2 U12.47
Net-(U13-1ch_IN): length 8.9
  Top w0.171: C39.2 64.57,81.75 67.38,81.75 68.58,82.95 U13.1
Net-(U13-1ch_OUT): length 11
  Top w0.171: v1(67.38,82.75) 67.31,82.82 U13.2 ; 71.38,74.65 v1(70.48,75.55)
  Bottom w0.171: v1(67.38,82.75) 67.38,82.55 70.28,79.65 70.28,75.75 v1(70.48,75.55)
Net-(U13-2ch_IN): length 8.9
  Top w0.171: 62.17,78.85 64.57,81.25 67.38,81.25 68.58,80.05 U13.8
Net-(U13-2ch_OUT): length 5.8
  Top w0.171: C42.1 69.89,77.76 68.25,77.76 67.31,78.7

## Copper pours and planes (outline as drawn; the poured copper is in the pictures)
+3V3 on In2.Cu: 21.29,86.05 55.28,86.05 55.28,70.05 102.88,70.05 102.88,7.75 21.29,7.75
AGND on In1.Cu: -0.02,96.75 102.88,96.75 102.88,70.55 55.78,70.55 55.78,86.55 -0.02,86.55
AVDD on In2.Cu: -0.02,96.75 102.88,96.75 102.88,70.55 55.78,70.55 55.78,86.55 -0.02,86.55
GND on In1.Cu: -0.02,86.05 55.28,86.05 55.28,70.05 102.88,70.05 102.88,7.75 -0.02,7.75

Small or netless copper shapes (teardrops, artwork), in the pictures only: 16 on Top

## Text on the board
B.Silkscreen: Leaded Solder / Nicole Express / PickledDog / rasz_pl / root42 / Studio8502 / SuperIlu / TechAmbrosia / Todd Gill / tom7 / Tube Time / vswitchzero / yyzkevin / Zago / everyone on Mastodon and Vogons / everyone who contributed hardware or $$$ / and the Retro Pico Hardware Discord / for various combinations of / inspiration, ideas, code, / and/or help | thanks to: / 48kRAM / Aaron Giles / Adrian Black / Chrissy / Claude Schwarz / deck/scoopex / djh0ffman / FireTwoOneNine / foone / FreddyV / furan / Graham Sanderson / HeathenUK / indigoparadox / Jim Leonard / Jonathan Campbell / Konrad Beckmann | designed in / Colorado
F.Silkscreen: USB prg | debug | RUN | GND | UART TX | licensed under CERN-OHL-P v2 / https://github.com/polpo/picogus / https://polpo.org/picogus | 2/9 | Wavetable Header | BOOTSEL > | blinkenlight! | 3 | 4 | 5 | 7 | 1 | v2.0 © 2023 Ian Scott aka polpo | audio out | MIDI out | USB host | polpo! | IRQ | DMA
